# Altium PCB VNA_v4.PcbDoc (part 2 of 5)
Units mm, origin at the board's own origin, x right, y up, seen from the top; angles counter-clockwise.
Board outline 179 x 180 mm, 2 copper layers (Top Layer, Bottom Layer), stack 1.601 mm thick; 281 components, 184 nets, 845 pads, 5745 vias.
Unrouted connection lines stored in the file: 5.
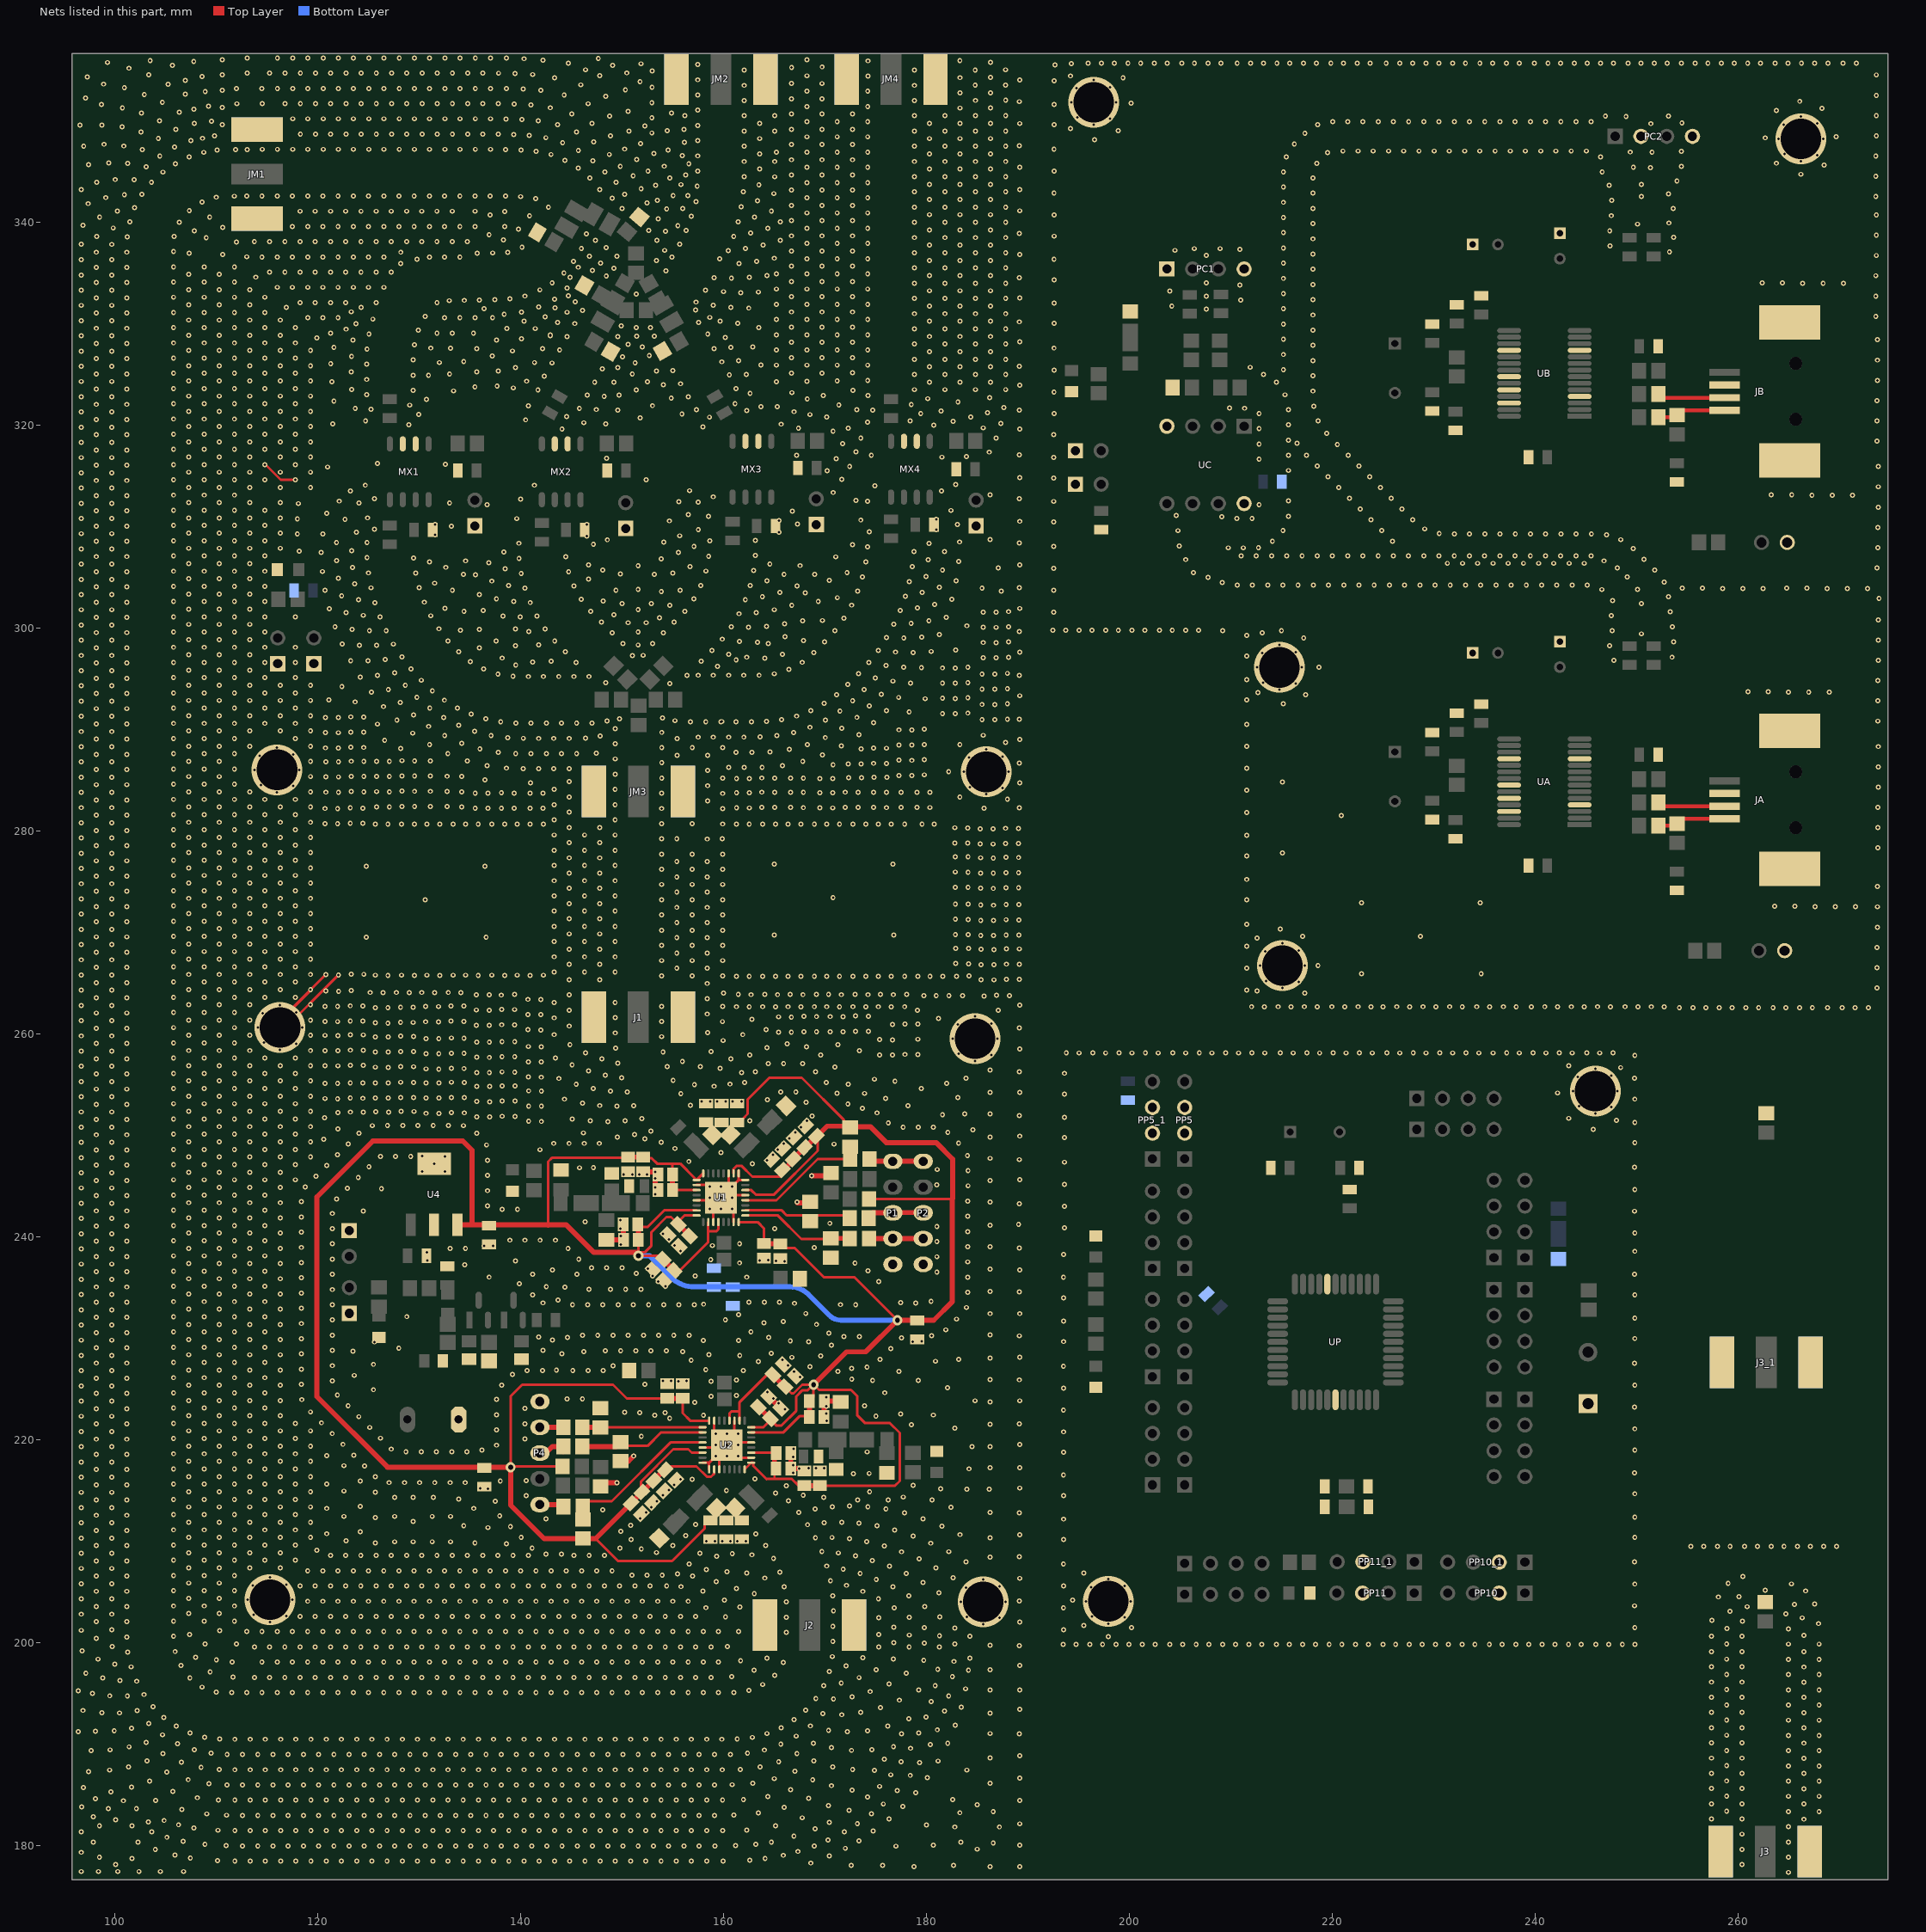
[diagram p2: the nets of this part, all layers, seen from the top]

## Via types
v1: diameter 0.5, hole 0.254, Top Layer to Bottom Layer, 5718 vias
v2: diameter 5, hole 4, Top Layer to Bottom Layer, 12 vias
v3: diameter 1, hole 0.5, Top Layer to Bottom Layer, 8 vias
v4: diameter 1.27, hole 0.711, Top Layer to Bottom Layer, 7 vias

## Nets (pads, with @x,y where several pads share a name; then routed paths per layer and width w, separated by ;. In a path a pad name is that pad's centre, name@x,y a point inside that pad or via, vN(x,y) a via of type N, cw(c..) or ccw(c..) an arc to the next point about the centre after c; other vN are vias at no path point)
AVDD1: C05.2 C07.1 C08.1 C09.2 C10.1 C11.1 C12.1 C16.1 C17.1 C18.1 C19.1 C21.1 C22.1 C26.1 C27.1 C28.1 C29.1 C110.1 C111.1 C112.1 C113.1 C114.1 C115.1 C117.1 C118.1 C119.1 C120.1 C123.1 C124.1 C125.1 C210.1 C211.1 C212.1 C213.1 C214.1 C215.1 C217.1 C218.1 C219.1 C220.1 C223.1 C224.1 C225.1 R15.2 R17.1 R25.2 R27.1 R43.2 R48.2 R413.2 R419.2 U1.6 U1.10 U1.16 U1.17 U1.19 U1.23 U1.24 U1.26 U1.28 U1.32 U2.6 U2.10 U2.16 U2.17 U2.19 U2.23 U2.24 U2.26 U2.28 U2.32 U4.3 | length 440
  Top Layer w0.254: v3(139.02,217.26) 139.02,224.24 140.16,225.38 149.13,225.38 150.476,224.034 C219.1@154.46,224.034 ; v3@139.04,217.24 v3@139.04,217.28 ; v3@139.1,217.34 R413.2@144.16,217.34 ; 142.73,241.16 142.73,247.381 143.129,247.78 C19.1@150.59,247.78 ; 147.404,210.22 149.604,208.02 154.948,208.02 158.167,211.239 158.167,211.677 158.515,212.025 C225.1@158.74,212.025 ; C22.1@150.897,213.713 151.392,214.208 ; C113.1@151.55,240.89 C113.1@151.616,240.824 ; v3@151.606,238.584 C112.1@151.606,239.65 ; v3(151.61,238.11) C117.1@153.709,238.11 ; v3@151.61,238.423 152.227,238.423 152.91,239.106 152.91,240.44 154.38,241.91 ; C113.1@151.64,240.96 152.56,240.96 154.173,242.573 U1.23@157.358,242.573 ; C21.1@151.887,214.703 151.887,215.857 155.057,219.027 156.543,219.027 156.873,218.697 U2.6@157.943,218.697 ; C18.1@152.64,247.72 152.921,247.72 153.461,247.18 154.98,247.18 ; C27.1@153.127,215.623 C27.1@153.227,215.623 ; C117.1@154.067,237.724 C117.1@154.067,237.753 ; C26.1@154.197,217.013 C26.1@154.267,217.013 154.598,217.345 157.345,217.345 158.37,216.32 158.405,216.32 158.78,216.32 159.093,216.633 U2.10@159.093,217.047 ; 154.38,241.92 154.84,241.92 C115.1@155.565,241.195 ; C111.1@154.98,246.136 154.98,247.18 ; C110.1@155,244.58 C110.1@155.076,244.58 ; C110.1@155.076,244.573 U1.19@157.358,244.573 ; C118.1@155.198,236.593 155.643,236.593 158.508,239.458 158.508,240.525 ; C115.1@155.545,241.455 156.163,242.073 U1.24@157.358,242.073 ; C220.1@155.986,223.703 155.986,222.584 156.723,221.847 U2.32@158.593,221.847 ; C114.1@156.567,240.433 C114.1@156.663,240.433 ; U1.16@158.008,246.223 U1.17@157.358,245.573 157.356,245.575 157.18,245.575 157.18,245.751 155.751,247.18 154.98,247.18 ; U1.26@158.508,241.423 158.508,240.525 ; U1.28@159.508,241.423 159.506,241.421 159.506,240.711 159.319,240.525 158.508,240.525 ; U2.28@160.59,221.92 160.59,222.554 160.781,222.745 161.593,222.745 ; U1.10@161.008,246.223 161.008,246.663 161.319,246.975 161.775,246.975 162.853,245.897 C16.1@165.66,245.897 ; C125.1@161.36,251.245 161.585,251.245 161.933,251.593 161.933,251.626 162.387,252.08 162.387,253.507 164.52,255.64 167.73,255.64 171.867,251.503 171.867,251.323 172.44,250.75 R43.2@172.495,250.75 ; U1.32@161.508,241.423 163.377,241.423 164,240.8 C120.1@164,239.326 ; U2.26@161.593,221.847 161.593,222.745 ; U2.16@162.093,217.047 U2.17@162.68,217.634 ; U1.6@162.158,244.573 162.757,244.573 163.23,244.1 164.955,244.1 169.3,248.445 C12.1@169.3,249.71 ; U2.17@162.743,217.697 162.928,217.697 162.93,217.695 162.93,217.4 164.25,216.08 ; U2.19@162.743,218.697 C210.1@165.024,218.697 ; U2.23@162.743,220.697 165.927,220.697 167.54,222.31 C213.1@168.474,222.31 ; U2.24@162.743,221.197 163.937,221.197 C215.1@164.555,221.815 ; C214.1@163.437,223.187 C214.1@163.467,223.187 ; 164.25,216.09 166.76,216.09 167.406,215.444 C28.1@168,215.444 ; C120.1@164.476,239.371 164.523,239.323 164.529,239.323 C120.1@164.577,239.276 ; C215.1@164.772,221.815 165.237,221.35 165.72,221.35 ; C218.1@164.869,226.358 164.767,226.461 164.391,226.461 161.593,223.663 161.593,222.745 ; 165.034,216.136 C211.1@165.034,217.11 ; C119.1@165.6,239.276 165.996,238.88 167.01,238.88 169.89,236 172.9,236 v3(177.15,231.75) ; 165.72,221.36 167.19,222.83 167.19,224.24 167.799,224.849 168.319,224.849 v3@168.86,225.39 ; C217.1@166.029,225.199 C217.1@166.057,225.199 166.713,224.543 166.923,224.543 167.77,225.39 v3@168.86,225.39 ; C217.1@166.128,224.817 C217.1@166.128,224.908 ; C212.1@168.484,223.79 168.885,224.19 v3@168.885,225.385 ; C29.1@169.51,215.444 176.924,215.444 177.38,215.9 177.38,220.637 176.418,221.6 173.97,221.6 173.171,222.399 173.171,224.279 172.57,224.88 169.412,224.88 168.902,225.39 v3(168.89,225.39) v3@168.86,225.39 ; R48.2@174.37,243.7 182.565,243.7 182.59,243.725
  Top Layer w0.5: U4.3@133.78,241.16 135.22,241.16 ; v3@139.04,217.24 139.04,213.51 142.33,210.22 R419.2@146.15,210.22 147.404,210.22 C22.1@150.897,213.713 ; v3@139.1,217.34 139.04,217.28 v3(139.02,217.26) 126.89,217.26 119.93,224.22 119.93,243.89 125.45,249.41 134.31,249.41 135.22,248.5 135.22,241.16 ; 142.73,241.115 142.765,241.15 ; C19.1@150.59,247.826 C18.1@152.016,247.826 ; 151.392,214.208 151.887,214.703 C26.1@154.197,217.013 ; v3@151.445,238.423 147.227,238.423 144.49,241.16 142.73,241.16 135.22,241.16 ; C112.1@151.616,239.65 C113.1@151.616,240.824 ; C117.1@154.067,237.724 C118.1@155.12,236.671 ; C219.1@154.46,224.034 C220.1@155.97,224.034 ; C110.1@154.98,244.6 C111.1@154.98,245.92 ; C115.1@155.563,241.193 C114.1@156.679,240.078 ; C214.1@163.467,223.187 C215.1@164.627,222.027 ; C120.1@164.577,239.276 C119.1@165.6,239.276 ; C218.1@164.869,226.358 C217.1@166.029,225.199 ; C211.1@165.034,217.206 C210.1@165.034,218.64 ; C16.1@165.865,246.495 C17.1@166.945,247.575 ; C17.1@166.883,247.647 C11.1@168.003,248.767 168.053,248.767 C12.1@169.153,249.867 169.207,249.867 170.22,250.88 R43.2@172.295,250.88 ; C28.1@168,215.444 C29.1@169.51,215.444 ; C213.1@168.484,222.24 C212.1@168.484,223.79 ; v3(168.89,225.39) 172.13,228.63 174.03,228.63 v3(177.15,231.75) 180.74,231.75 182.565,233.575 182.565,243.7 ; R43.2@172.47,250.83 174.48,250.83 176.05,249.26 180.97,249.26 182.59,247.64 182.59,243.725
  Bottom Layer w0.5: v3(151.61,238.11) 152.71,238.11 154.857,235.963 ccw(c157.097,238.203) 157.097,235.035 160.93,235.035 166.583,235.035 cw(c166.583,232.495) 168.379,234.291 170.44,232.23 ccw(c171.599,233.389) 171.599,231.75 v3(177.15,231.75)
CE1: R42.1 R43.1 U1.4 | length 12.6
  Top Layer w0.254: U1.4@162.158,243.573 165.226,243.573 169.293,247.64 R42.1@172.48,247.64 R42.1@172.31,247.81 ; R42.1@172.5,247.75 R42.1@172.77,247.48
CE1A: P1.1 P2.1 R42.2 | length 5.4
  Top Layer w0.5: R42.2@174.36,247.62 174.568,247.412 P1.1@176.7,247.412 P2.1@179.7,247.412
CE2: R418.1 R419.1 U2.4 | length 14
  Top Layer w0.254: R418.1@146.13,212.92 R418.1@146.21,212.84 ; R418.1@146.45,213.91 149,213.91 154.787,219.697 U2.4@157.943,219.697
CE2A: P4.5 R418.2 | length 2.3
  Top Layer w0.254: R418.2@144.06,213.57 R418.2@144.18,213.45
  Top Layer w0.5: P4.5@141.91,213.57 R418.2@144.06,213.57
CLK1: R44.1 R45.2 U1.1 | length 11.7
  Top Layer w0.254: U1.1@162.158,242.073 165.377,242.073 167.69,239.76 R45.2@171.22,239.76
  Top Layer w0.5: R45.2@171.16,239.82 R44.1@172.81,239.82
CLK1A: P1.4 P2.4 R44.2 | length 5.1
  Top Layer w0.5: R44.2@174.572,239.792 P1.4@176.7,239.792 P2.4@179.7,239.792
CLK2: R416.2 R417.1 U2.1 | length 12.1
  Top Layer w0.254: R417.1@146.12,221.24 R417.1@146.16,221.2 ; R416.2@147.77,221.2 U2.1@157.939,221.2 ; U2.1@157.943,221.197 U2.1@158.22,221.197
  Top Layer w0.5: R417.1@146.16,221.2 R416.2@147.77,221.2
CLK2A: P4.2 R417.2 | length 2.3
  Top Layer w0.254: P4.2@141.89,221.41 P4.2@141.9,221.42 ; R417.2@144.17,221.19 R417.2@144.22,221.24
  Top Layer w0.5: P4.2@141.91,221.19 R417.2@144.17,221.19
CLK2B: 
DA+: JA.3 RA1.1 RA3.2 | length 6.8
  Top Layer w0.381: RA1.1@252.156,280.501 253.939,280.501 254,280.562 254,280.582 254.585,281.166 JA.3@258.7,281.166
DA-: JA.2 RA2.2 | length 6.7
  Top Layer w0.381: RA2.2@252.156,282.787 252.527,282.416 JA.2@258.7,282.416
DATA1: R46.1 R47.2 U1.2 | length 11.1
  Top Layer w0.254: U1.2@162.158,242.573 165.747,242.573 166.23,242.09 168.92,242.09 172.15,242.09 R46.1@172.43,241.81 ; R47.2@168.56,241.69 R47.2@168.93,242.06
DATA1A: P1.3 P2.3 R46.2 | length 5.5
  Top Layer w0.254: R46.2@174.298,241.611 R46.2@174.679,241.992
  Top Layer w0.5: R46.2@174.709,242.332 P1.3@176.73,242.332 ; P1.3@176.73,242.36 P2.3@179.7,242.36
DATA2: R414.2 R415.1 U2.2 | length 13.2
  Top Layer w0.254: R415.1@146.11,219.3 R415.1@146.53,219.72 ; R414.2@150.02,219.703 150.373,219.35 152.53,219.35 153.877,220.697 U2.2@157.943,220.697
  Top Layer w0.5: R415.1@146.11,219.3 149.42,219.3 R414.2@149.87,219.75
DATA2A: P4.3 R415.2 | length 2.8
  Top Layer w0.254: R415.2@143.57,219.29 R415.2@144.2,218.66
  Top Layer w0.5: P4.3@141.91,218.65 142.49,218.65 143.13,219.29 R415.2@143.57,219.29
DB+: JB.3 RB1.1 RB3.2 | length 6.8
  Top Layer w0.381: RB1.1@252.156,320.76 253.939,320.76 254,320.821 254,320.841 254.585,321.425 JB.3@258.7,321.425
DB-: JB.2 RB2.2 | length 6.7
  Top Layer w0.381: RB2.2@252.156,323.046 252.527,322.675 JB.2@258.7,322.675
GND: "RN1 50 OHm.1" "RN 50 Ohm.1" "SW RST.1" C01.2 C03.1 C05.1 C06.1 C07.2 C08.2 C09.1 C10.2 C11.2 C12.2 C13.1 C15.2 C16.2 C17.2 C18.2 C19.2 C21.2 C22.2 C23.1 C25.2 C26.2 C27.2 C28.2 C29.2 C110.2 C111.2 C112.2 C113.2 C114.2 C115.2 C117.2 C118.2 C119.2 C120.2 C123.2 C124.2 C125.2 C210.2 C211.2 C212.2 C213.2 C214.2 C215.2 C217.2 C218.2 C219.2 C220.2 C223.2 C224.2 C225.2 CA1.1 CA2.1 CA5.1 CA8.1 CA9.1 CA10.1 CA11.1 CA12.1 CA13.2 CA14.1 CB1.1 CB2.1 CB5.1 CB8.1 CB9.1 CB10.1 CB11.1 CB12.1 CB13.2 CB14.1 CC3.2 CC4.2 CM13.1 CM14.2 CM15.2 CM23.1 CM24.2 CM33.1 CM34.2 CM43.1 CM44.2 CP1.1 CP2.1 CP3.1 CP4.1 CP5.1 CP6.1 CP7.2 CP8.1 CP9.1 D1.1 D2.1 D41.1 DA.2 DB.2 DC.1 DM6.1 DP1.1 DP2.1 DP3.1 J1.2 J1.3 J2.2 J2.3 J3.2 J3.3 J3_1.2 J3_1.3 JA.4 JA.Shell JB.4 JB.Shell JM1.2 JM1.3 JM2.2 JM2.3 JM3.2 JM3.3 JM4.2 JM4.3 MX1.2 MX1.3 MX2.2 MX2.3 MX3.2 MX3.3 MX4.2 MX4.3 P1.5 P2.5 P3.1 P4.1 P5.1 PC1.1 PC1.4 PC2.2 PC2.4 PC3.1 PC4.1 PM1.1 PM2.1 PM3.1 PM4.1 PM5.1 PM6.1 PP5.2 PP5.3 PP5_1.2 PP5_1.3 PP10.2 PP10_1.2 PP11.3 PP11_1.3 R03.1 R04.1 R05.1 R11A.1 R13.2 R16.2 R19.2 R21A.1 R23.2 R26.2 R29.2 R45.1 R47.1 R410.1 R411.1 R414.1 R416.1 RC6.2 RC7.2 RP6.1 RR3.2 RR5.2 RR10.2 RR13.2 RR14A.2 U1.5 U1.8 U1.9 U1.11 U1.18 U1.21 U1.27 U1.31 U1.33 U2.5 U2.8 U2.9 U2.11 U2.18 U2.21 U2.27 U2.31 U2.33 U4.2 U4.4 UA.4 UA.11 UA.18 UA.22 UA.24 UA.26 UB.4 UB.11 UB.18 UB.22 UB.24 UB.26 UC.4 UC.8 UP.6 UP.29 Y01.1 | length 85.7
  Top Layer w0.254: v1@114.807,259.083 114.81,259.086 114.81,259.46 116.306,260.956 116.306,261.266 119.306,264.267 v1(119.306,264.333) 119.32,264.333 120.713,265.726 v1@120.706,265.733 ; v1(114.807,316.083) 114.873,316.083 116.357,314.6 117.5,314.6 ; v1@119.227,264.413 119.227,264.252 116.2,261.226 116.2,260 116.276,260 v1(122.064,265.788) ; C110.2@153.544,244.576 C110.2@153.55,244.57 ; C111.2@153.544,245.826 C111.2@153.544,246.12 ; U1.21@157.358,243.573 U1.33@159.508,243.573 ; U1.18@157.358,245.073 158.508,245.073 v1(158.658,244.923) v1(159.758,243.823) ; U2.8@157.943,217.697 158.593,217.697 ; U2.5@157.943,219.197 U2.33@160.093,219.197 ; U2.9@158.593,217.047 158.593,217.697 ; U1.27@159.008,241.423 159.008,243.073 U1.33@159.508,243.573 ; U2.33@159.09,220.85 159.093,220.853 U2.31@159.093,221.847 ; U2.11@159.593,217.047 U2.33@159.593,218.697 ; U1.11@160.508,246.223 U1.33@160.508,244.573 ; U1.31@161.008,241.423 161.008,242.573 v1(160.858,242.723) v1(159.758,243.823) ; U2.27@161.093,221.847 161.093,220.197 U2.33@160.593,219.697 ; U1.9@161.508,246.521 U1.9@161.508,246.223 161.508,245.573 ; U1.5@162.158,244.073 U1.33@160.008,244.073 ; U1.8@162.158,245.573 161.508,245.573 ; U2.18@162.743,218.197 161.593,218.197 v1(161.443,218.347) v1(160.343,219.447) ; U2.21@162.743,219.697 U2.33@160.593,219.697 ; C218.2@165.895,227.385 C218.2@165.924,227.385 ; R19.2@166.172,252.882 R19.2@166.172,252.935 ; v1@266.2,345.9 266.3,346 266.2,346.1 v2(266.2,348.2) v1(266.2,346) ; 158.593,217.697 v1(159.243,218.347) U2.33@159.593,218.697 ; U1.33@159.508,243.573 v1(159.758,243.823) ; U2.33@159.593,218.697 U2.33@160.093,219.197 ; v1(159.758,243.823) U1.33@160.008,244.073 ; U1.33@160.008,244.073 U1.33@160.508,244.573 ; U2.33@160.093,219.197 v1(160.343,219.447) ; v1(160.343,219.447) U2.33@160.593,219.697 ; U1.33@160.508,244.573 v1(160.858,244.923) 161.508,245.573
  Top Layer w0.5: R411.1@147.9,215.36 148.28,215.74 v1(149.5,215.74) ; R13.2@148.46,239.665 150.109,239.665 150.124,239.68 C113.2@150.124,241.19 ; R414.1@149.87,217.85 150.64,217.85 v1(151.16,218.37) ; C18.2@152.55,246.374 v1(153.29,246.374) C111.2@153.544,246.12 ; v1(153.28,245.74) v1(153.28,244.84) C110.2@153.544,244.576 ; C214.2@164.463,224.213 164.493,224.213 165.293,223.413 C215.2@165.653,223.053 ; C210.2@166.646,218.66 166.646,217.12 C211.2@166.636,217.11 v1(167.488,217.11) ; v1@167.294,243.322 168.462,243.322 R47.1@168.56,243.42 ; v1(168.71,245.97) 170.3,245.97 R410.1@170.6,246.27 ; C213.2@169.926,222.23 C212.2@169.926,223.78 ; C212.2@169.936,223.79 171.475,223.79 R23.2@171.57,223.695